# KiCad board SBC.kicad_pcb (continued)
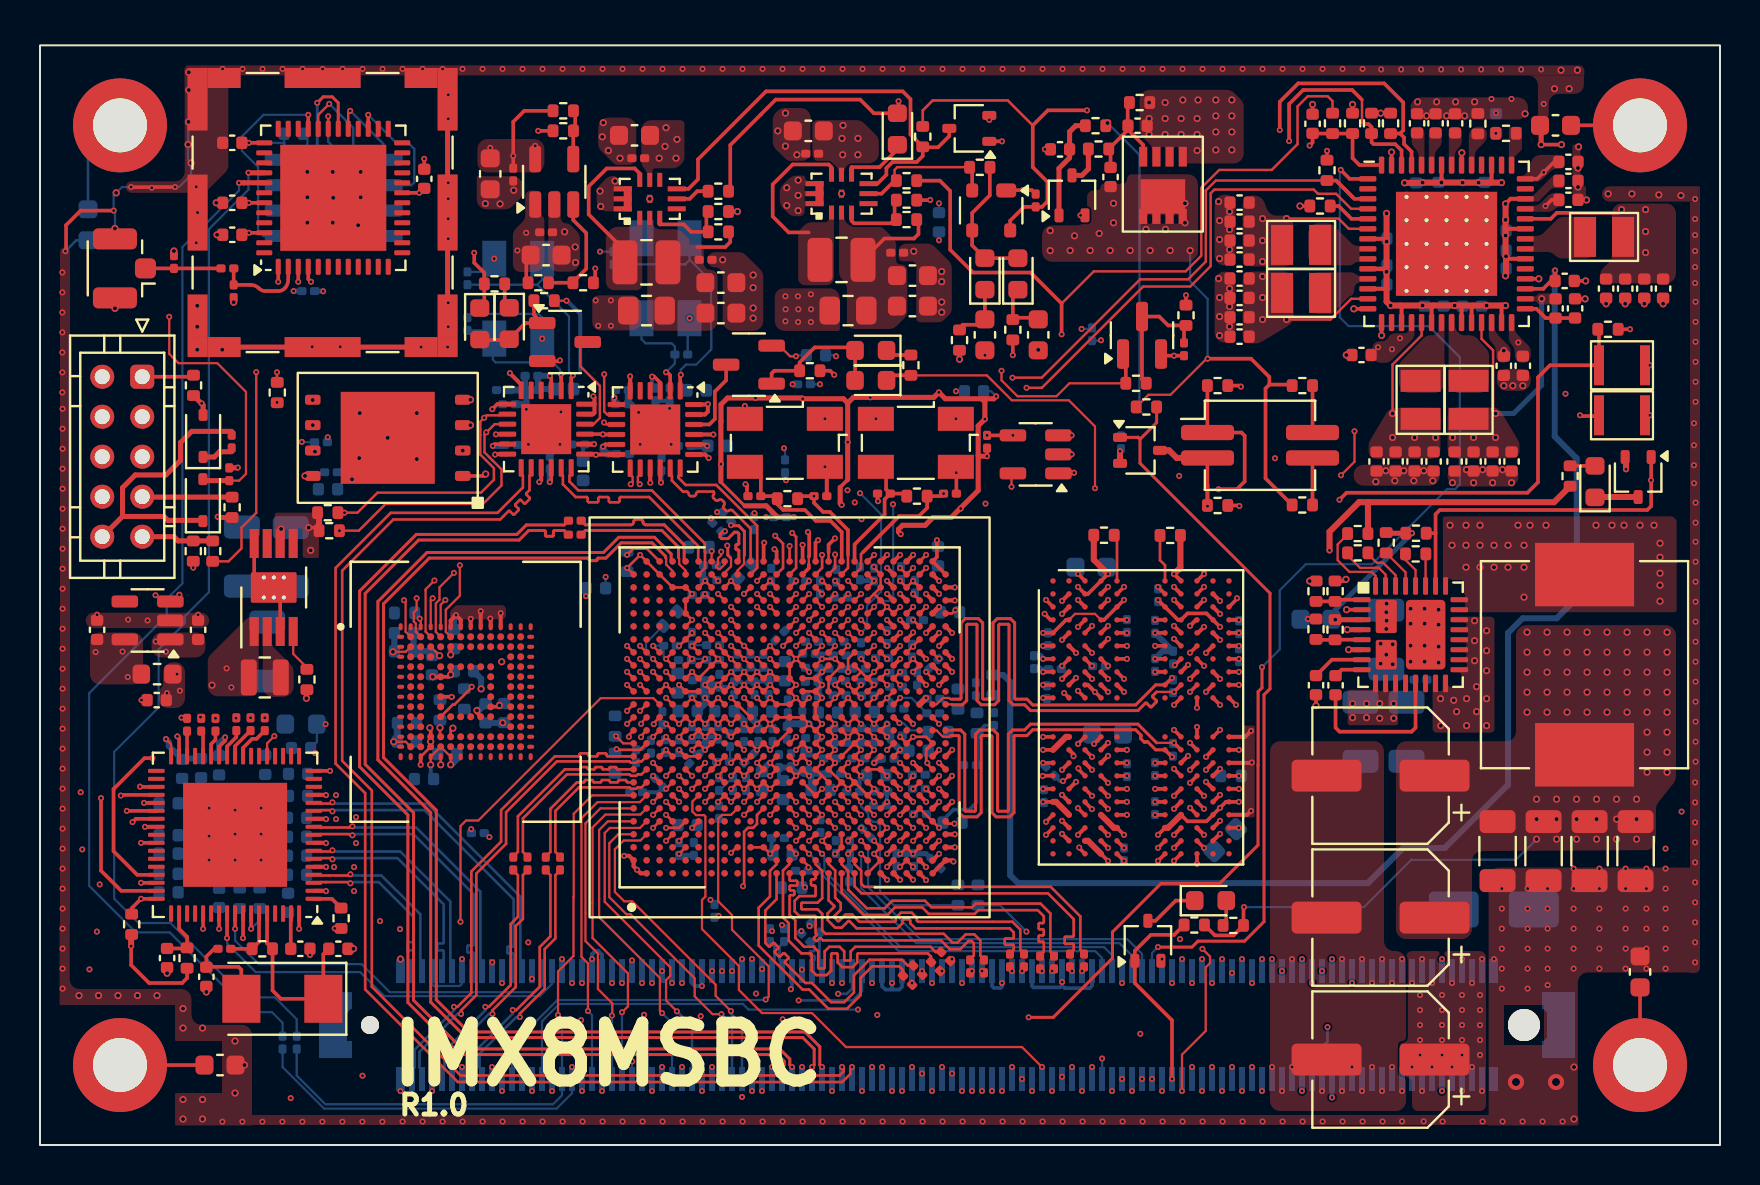
[diagram p0: board, top side]
## Routing (per net, layer and track width the routed paths; a pad name or vN(x,y) marks a point on that pad's centre or on a via; arc(x,y) is an arc through that point) (continued)
DRAM_CA3_B: length 21.6
  T w0.2: U12.R10 v1(57.5,18.76) ; v1(44.95,17.81) U9.AE7
  IN6 w0.13: v1(44.95,17.81) 46.08,17.81 48.69,15.2 arc(48.74,15.18) 48.76,15.14 48.76,14.99 arc(48.77,14.94) 48.82,14.92 49.01,14.92 arc(49.06,14.94) 49.07,14.99 49.07,15.14 arc(49.09,15.18) 49.14,15.2 49.33,15.2 arc(49.38,15.18) 49.4,15.14 49.4,14.79 arc(49.41,14.74) 49.46,14.72 49.65,14.72 arc(49.7,14.74) 49.71,14.79 49.71,15.14 arc(49.73,15.18) 49.78,15.2 49.97,15.2 arc(50.02,15.18) 50.04,15.14 50.04,14.79 arc(50.05,14.74) 50.1,14.72 50.29,14.72 arc(50.34,14.74) 50.35,14.79 50.35,15.14 arc(50.37,15.18) 50.42,15.2 50.61,15.2 arc(50.66,15.18) 50.68,15.14 50.68,14.79 arc(50.69,14.74) 50.74,14.72 50.93,14.72 arc(50.98,14.74) 50.99,14.79 50.99,15.14 arc(51.01,15.18) 51.06,15.2 52.21,15.2 52.25,15.24 52.25,15.48 52.28,15.52 52.6,15.52 52.64,15.48 52.64,14.87 52.67,14.83 52.99,14.83 53.03,14.87 53.03,15.16 53.06,15.2 54.39,15.2 54.51,15.32 54.67,15.32 54.92,15.57 55.43,15.57 55.73,15.87 56.22,15.87 56.38,16.03 56.38,17.71 56.47,17.8 57.02,17.8 57.14,17.92 57.14,18.2 57.5,18.56 v1(57.5,18.76)
DRAM_CA4_A: length 20.2
  T w0.2: v1(44.95,25.61) U9.AD19 ; v1(59,23.31) U12.H11
  IN6 w0.13: v1(44.95,25.61) 45.13,25.79 45.13,25.85 44.97,26.01 44.97,26.07 45.22,26.32 45.29,26.32 45.44,26.16 45.5,26.16 45.77,26.43 45.94,26.43 46.18,26.67 46.18,27.27 46.78,27.87 51.4,27.87 51.67,27.6 54.49,27.6 55.34,26.75 56.7,26.75 57.07,26.38 57.07,23.83 57.26,23.64 57.74,23.64 58.07,23.31 v1(59,23.31)
DRAM_CA4_B: length 20.3
  T w0.2: U12.R11 v1(58.3,18.76) ; U9.AE6 v1(45.6,17.16)
  IN6 w0.13: v1(45.6,17.16) 48.9,13.87 49.2,13.87 arc(49.25,13.85) 49.27,13.8 arc(49.29,13.74) 49.35,13.72 49.81,13.72 arc(49.86,13.74) 49.88,13.8 49.88,13.94 arc(49.9,14) 49.96,14.02 50.42,14.02 arc(50.47,14) 50.49,13.94 50.49,13.8 arc(50.51,13.74) 50.57,13.72 51.03,13.72 arc(51.08,13.74) 51.1,13.8 51.1,13.94 arc(51.12,14) 51.18,14.02 51.64,14.02 arc(51.69,14) 51.71,13.94 51.71,13.8 arc(51.73,13.74) 51.79,13.72 52.25,13.72 arc(52.3,13.74) 52.32,13.8 52.32,13.94 arc(52.34,14) 52.4,14.02 52.86,14.02 arc(52.91,14) 52.93,13.94 arc(52.95,13.89) 53.01,13.87 54.37,13.87 55.04,14.54 56.09,14.54 56.25,14.7 56.25,14.94 56.49,15.18 56.83,15.18 57.88,16.23 57.88,17.02 58,17.15 58.36,17.15 58.65,17.44 58.65,18.27 58.3,18.62 v1(58.3,18.76)
DRAM_CA5_A: length 20.5
  T w0.2: v1(44.95,24.96) U9.AE19 ; v1(58.3,22.66) U12.J11
  IN6 w0.13: v1(44.95,24.96) 45.29,25.3 45.79,25.3 46.91,26.42 49.78,26.42 50.02,26.18 51.35,26.18 51.49,26.32 53.57,26.32 53.94,25.95 54.53,25.95 55.4,25.08 55.4,24.1 55.51,23.99 55.92,23.99 56.28,23.63 56.28,23.12 56.41,22.99 56.89,22.99 57.06,22.82 57.06,21.66 57.46,21.26 58.19,21.26 58.3,21.37 58.3,22.01 58.34,22.04 58.55,22.04 58.58,22.08 58.58,22.34 58.55,22.37 58.34,22.37 58.3,22.41 v1(58.3,22.66)
DRAM_CA5_B: length 19.4
  T w0.2: v1(58.3,19.41) U12.P11 ; U9.AD6 v1(44.95,17.16)
  IN6 w0.13: v1(58.3,19.41) 58.17,19.54 57.96,19.54 57.82,19.4 57.82,17.86 57.11,17.15 57.11,16.41 56.33,15.63 56.33,15.46 56.05,15.18 55.57,15.18 55.29,14.9 54.79,14.9 54.42,14.53 53.27,14.53 53.19,14.45 48.89,14.45 45.83,17.51 45.1,17.51 44.95,17.36 v1(44.95,17.16)
DRAM_CKA_N: length 28.5
  T w0.11: v1(56.7,22.66) 55.83,22.66 ; U9.AE14 45.59,22.04 45.61,22.02
  T w0.15: 45.61,22.02 46.12,22.02 46.33,22.23 46.33,26 46.38,26.05 46.81,26.05 46.85,26 46.85,22.23 47.06,22.02 47.72,22.02 47.93,22.23 47.93,26 47.98,26.05 48.41,26.05 48.45,26 48.45,22.23 48.66,22.02 49.23,22.02 49.52,21.73 54.9,21.73 55.27,22.1 55.33,22.1 55.51,21.92 55.58,21.92 55.82,22.16 55.82,22.22 55.64,22.4 55.64,22.47 55.83,22.66
  T w0.18: v1(56.7,22.66) U12.J9
DRAM_CKA_P: length 28.3
  T w0.11: U9.AD14 44.83,22.04 45.15,22.36 45.46,22.36 45.52,22.3 45.61,22.3
  T w0.15: 45.61,22.3 46.01,22.3 46.05,22.34 46.05,26.12 46.26,26.33 46.92,26.33 47.13,26.12 47.13,22.34 47.18,22.3 47.61,22.3 47.65,22.34 47.65,26.12 47.86,26.33 48.52,26.33 48.73,26.12 48.73,22.34 48.78,22.3 49.35,22.3 49.64,22.01 54.78,22.01 55.79,23.01 U12.J8
  T w0.18: v1(56.6,23.36) U12.J8
DRAM_CKB_N: length 28.1
  T w0.11: v1(56.7,20.11) 55.83,20.11 ; 45.61,20.76 45.59,20.74 U9.AE12
  T w0.15: 55.83,20.11 54.9,21.05 49.52,21.05 49.23,20.76 48.63,20.76 48.42,20.55 48.42,16.74 48.37,16.69 47.92,16.69 47.88,16.74 47.88,20.55 47.67,20.76 46.99,20.76 46.78,20.55 46.78,16.74 46.73,16.69 46.28,16.69 46.24,16.74 46.24,20.55 46.03,20.76 45.61,20.76
  T w0.18: v1(56.7,20.11) U12.P9
DRAM_CKB_P: length 28.6
  T w0.11: U9.AD12 44.83,20.74 45.15,20.42 45.46,20.42 45.52,20.48 45.61,20.48
  T w0.15: 45.61,20.48 45.91,20.48 45.96,20.44 45.96,16.62 46.17,16.41 46.85,16.41 47.06,16.62 47.06,20.44 47.1,20.48 47.55,20.48 47.6,20.44 47.6,16.62 47.81,16.41 48.49,16.41 48.7,16.62 48.7,20.44 48.74,20.48 49.35,20.48 49.64,20.77 54.78,20.77 55.06,20.49 55.06,20.43 55.03,20.4 55.03,20.34 55.22,20.15 55.28,20.15 55.31,20.18 55.37,20.18 55.79,19.76 U12.P8
  T w0.18: v1(56.6,19.41) U12.P8
DRAM_CKE0_A: length 23.4
  T w0.2: v1(44.3,23.01) U9.AC16 ; U12.J4 v1(53.4,22.66)
  IN6 w0.13: v1(53.4,22.66) 53.73,22.66 54.09,22.3 55.58,22.3 55.66,22.22 55.66,21.81 55.56,21.71 53.21,21.71 53.17,21.75 53.17,22.25 53.13,22.28 52.88,22.28 52.84,22.25 52.84,21.75 52.8,21.71 52.55,21.71 52.51,21.75 52.51,22.4 52.47,22.43 52.22,22.43 52.18,22.4 52.18,21.75 52.14,21.71 51.89,21.71 51.85,21.75 51.85,22.3 51.81,22.33 51.56,22.33 51.52,22.3 51.52,21.75 51.48,21.71 51.23,21.71 51.19,21.75 51.19,22.2 51.15,22.23 50.9,22.23 50.86,22.2 50.86,21.75 50.82,21.71 50.57,21.71 50.53,21.75 50.53,21.95 50.49,21.98 50.24,21.98 50.2,21.95 50.2,21.75 50.16,21.71 49.91,21.71 49.87,21.75 49.87,22.15 49.83,22.18 49.58,22.18 49.54,22.15 49.54,21.75 49.5,21.71 45.44,21.71 45.4,21.75 45.4,22.17 45.36,22.2 45.1,22.2 45.06,22.17 45.06,21.75 45.02,21.71 44.48,21.71 43.98,22.21 43.98,22.72 44.27,23.01 v1(44.3,23.01)
DRAM_CKE0_B: length 22.3
  T w0.2: U9.AD10 v1(44.95,19.76) ; v1(53.4,20.11) U12.P4
  IN6 w0.13: v1(44.95,19.76) 44.95,19.54 45.08,19.41 45.82,19.41 45.92,19.51 45.92,19.9 45.73,20.09 45.73,20.33 45.87,20.47 46.98,20.47 47.02,20.43 47.02,19.82 47.05,19.79 47.33,19.79 47.37,19.82 47.37,20.43 47.41,20.47 47.68,20.47 47.72,20.43 47.72,19.82 47.76,19.79 48.03,19.79 48.07,19.82 48.07,20.43 48.1,20.47 48.38,20.47 48.42,20.43 48.42,19.82 48.46,19.79 48.73,19.79 48.77,19.82 48.77,20.43 48.8,20.47 49.08,20.47 49.12,20.43 49.12,19.82 49.16,19.79 49.43,19.79 49.47,19.82 49.47,20.43 49.51,20.47 49.74,20.47 49.84,20.37 49.84,20.25 50,20.09 50.36,20.09 50.47,20.2 50.47,20.39 50.58,20.5 55.54,20.5 55.68,20.36 55.68,20.2 55.56,20.08 54.16,20.08 53.88,19.8 53.16,19.8 53.07,19.89 53.07,20.05 53.13,20.11 v1(53.4,20.11)
DRAM_CKE1_A: length 21.8
  T w0.2: v1(45.6,23.66) U9.AE17 ; U12.J5 v1(54.2,22.66)
  IN6 w0.13: v1(45.6,23.66) 45.6,23.52 45.42,23.34 43.61,23.34 43.47,23.2 43.47,21.59 43.67,21.39 56.19,21.39 56.37,21.57 56.37,21.86 56.33,21.9 56.06,21.9 56.02,21.94 56.02,22.19 56.06,22.23 56.33,22.23 56.37,22.27 56.37,22.54 56.25,22.66 v1(54.2,22.66)
DRAM_CKE1_B: length 22.3
  T w0.2: U9.AE10 v1(45.6,19.76) ; U12.P5 v1(54.34,19.76)
  IN6 w0.13: v1(45.6,19.76) 45.47,19.76 45.11,20.12 45.11,20.35 45.54,20.78 55.63,20.78 55.98,20.43 56.11,20.43 56.3,20.62 56.39,20.62 56.58,20.43 56.85,20.43 57.04,20.24 57.04,19.91 56.95,19.82 56.95,19.6 57.04,19.51 57.04,18.49 56.68,18.13 56.5,18.13 56.37,18.26 56.37,19.2 56.28,19.28 56.28,19.7 56.19,19.79 56.05,19.79 56.01,19.75 56.01,19.68 55.97,19.65 55.78,19.65 55.74,19.68 55.74,19.75 55.7,19.79 55.51,19.79 55.47,19.75 55.47,19.48 55.43,19.45 55.24,19.45 55.2,19.48 55.2,19.75 55.16,19.79 54.97,19.79 54.93,19.75 54.93,19.28 54.89,19.25 54.7,19.25 54.66,19.28 54.66,19.75 54.62,19.79 54.37,19.79 v1(54.34,19.76)
DRAM_DM0: length 19.4
  T w0.2: v1(44.95,27.56) U9.AD23 ; U12.C3 v1(51.9,27.26)
  IN4 w0.13: v1(51.9,27.26) 51.61,27.26 51.34,27.53 50.81,27.53 50.7,27.42 50.7,27.22 50.42,26.94 50.16,26.94 49.82,26.6 49.82,25.52 49.66,25.36 49.28,25.36 49.24,25.39 49.24,26.34 49.2,26.37 48.89,26.37 48.85,26.34 48.85,25.39 48.81,25.36 48.5,25.36 48.46,25.39 48.46,26.34 48.42,26.38 48.11,26.38 48.07,26.34 48.07,25.39 48.03,25.36 47.72,25.36 47.68,25.39 47.68,26.34 47.64,26.37 47.33,26.37 47.29,26.34 47.29,25.39 47.25,25.36 46.83,25.36 46.81,25.38 46.81,27.15 46.05,27.91 46.05,28.02 45.87,28.2 45.76,28.2 45.43,28.53 44.69,28.53 44.53,28.37 44.53,27.99 v1(44.95,27.56)
DRAM_DM1: length 23.5
  T w0.2: v1(58.2,27.26) U12.C10 ; U9.AB20 v1(43,26.26)
  IN2 w0.13: v1(58.2,27.26) 58.2,27.34 58.09,27.45 57.81,27.45 57.73,27.37 57.73,27.11 58.56,26.28 58.56,25.79 58.36,25.59 57.39,25.59 57.1,25.88 57.1,26.15 56.9,26.35 56.56,26.35 56.15,25.94 55.45,25.94 arc(55.34,25.98) 55.3,26.09 arc(55.25,26.19) 55.15,26.23 55.12,26.23 arc(55.01,26.19) 54.97,26.09 arc(54.92,25.98) 54.82,25.94 54.22,25.94 53.91,25.63 52.21,25.63 52,25.42 51.74,25.42 51.53,25.63 50.72,25.63 50.37,25.28 49.79,25.28 49.74,25.32 49.74,25.54 49.7,25.58 49.36,25.58 49.31,25.54 49.31,25.32 49.27,25.28 48.93,25.28 48.88,25.32 48.88,25.54 48.84,25.58 48.5,25.58 48.45,25.54 48.45,25.32 48.41,25.28 48.07,25.28 48.02,25.32 48.02,25.54 47.98,25.58 47.64,25.58 47.59,25.54 47.59,25.32 47.55,25.28 47.21,25.28 47.16,25.32 47.16,25.54 47.12,25.58 46.78,25.58 46.73,25.54 46.73,25.32 46.69,25.28 46.35,25.28 46.3,25.32 46.3,25.44 46.26,25.48 45.92,25.48 45.87,25.44 45.87,25.32 45.83,25.28 44.75,25.28 44.63,25.4 44.63,25.8 44.48,25.95 43.32,25.95 v1(43,26.26)
DRAM_DM2: length 19.3
  T w0.2: v1(44.95,15.21) U9.AD3 ; U12.Y3 v1(51.9,15.51)
  IN4 w0.13: v1(44.95,15.21) 44.76,15.21 44.53,14.98 44.53,14.94 arc(44.51,14.89) 44.46,14.87 44.05,14.87 arc(44,14.85) 43.99,14.81 43.99,14.64 arc(44,14.59) 44.05,14.57 44.46,14.57 arc(44.51,14.55) 44.53,14.51 44.53,14.32 44.61,14.24 45.12,14.24 45.37,14.48 45.76,14.48 45.86,14.58 45.87,14.58 46.05,14.76 46.05,14.77 46.06,14.78 46.06,14.85 46.53,15.32 46.53,16.05 46.66,16.18 47.14,16.18 47.19,16.23 47.19,17.02 47.24,17.07 47.65,17.07 47.7,17.02 47.7,15.33 47.75,15.28 48.16,15.28 48.21,15.33 48.21,17.02 48.26,17.07 48.67,17.07 48.72,17.02 48.72,16.23 48.77,16.18 49.18,16.18 49.23,16.23 49.23,17.02 49.28,17.07 49.69,17.07 49.74,17.02 49.74,16.23 50.12,15.85 50.4,15.85 50.7,15.55 50.7,15.37 50.87,15.2 51.76,15.2 51.9,15.34 v1(51.9,15.51)
DRAM_DM3: length 23.3
  T w0.2: U9.AB6 v1(43,16.51) ; v1(58.2,15.51) U12.Y10
  IN2 w0.13: v1(43,16.51) 43.32,16.83 44.48,16.83 44.63,16.98 44.63,17.33 44.8,17.5 45.96,17.5 46.01,17.45 46.01,17.23 46.06,17.18 46.45,17.18 46.5,17.23 46.5,17.45 46.55,17.5 46.94,17.5 46.99,17.45 46.99,17.23 47.04,17.18 47.43,17.18 47.48,17.23 47.48,17.45 47.53,17.5 47.92,17.5 47.97,17.45 47.97,17.23 48.02,17.18 48.41,17.18 48.46,17.23 48.46,17.45 48.51,17.5 48.9,17.5 48.95,17.45 48.95,17.23 49,17.18 49.39,17.18 49.44,17.23 49.44,17.45 49.49,17.5 50.37,17.5 50.7,17.17 51.49,17.17 arc(51.61,17.21) 51.65,17.33 arc(51.7,17.44) 51.81,17.49 51.98,17.49 arc(52.1,17.44) 52.14,17.33 arc(52.19,17.21) 52.3,17.17 52.47,17.17 52.51,17.13 53.57,17.13 53.92,17.48 54.5,17.48 54.66,17.31 54.66,16.91 54.73,16.84 54.91,16.84 arc(55.03,16.79) 55.09,16.66 55.09,16.62 arc(55.14,16.49) 55.27,16.44 arc(55.39,16.49) 55.45,16.62 55.45,16.66 arc(55.5,16.79) 55.63,16.84 56.15,16.84 56.56,16.43 56.9,16.43 57.06,16.59 57.06,16.93 57.31,17.18 57.97,17.18 58,17.15 58.4,17.15 58.56,16.99 58.56,16.4 58.2,16.04 v1(58.2,15.51)
DRAM_DQ0: length 19.6
  T w0.2: U12.B2 v1(51.1,27.21) ; U9.AE23 v1(45.74,27.89)
  IN4 w0.13: v1(45.74,27.89) 45.74,27.76 46.44,27.06 46.44,23.83 46.62,23.65 46.84,23.65 46.88,23.69 46.88,24.8 46.92,24.84 47.25,24.84 47.29,24.8 47.29,23.69 47.33,23.65 47.66,23.65 47.7,23.69 47.7,24.8 47.74,24.84 48.07,24.84 48.11,24.8 48.11,23.69 48.15,23.65 48.48,23.65 48.52,23.69 48.52,24.8 48.56,24.84 48.89,24.84 48.93,24.8 48.93,23.69 48.97,23.65 49.35,23.65 49.56,23.86 49.56,24.82 50.04,25.29 50.32,25.29 50.47,25.44 50.47,25.59 50.74,25.87 50.74,26.75 51.1,27.1 v1(51.1,27.21)
DRAM_DQ1: length 18.4
  T w0.2: U12.E2 v1(51.1,25.26) ; v1(44.95,28.21) U9.AD24
  IN4 w0.13: v1(51.1,25.26) 51.22,25.14 51.22,24.44 51.37,24.29 51.66,24.29 52.12,23.83 52.12,23.21 51.96,23.05 51.26,23.05 51.17,22.96 50.61,22.96 50.33,22.67 49.95,22.67 49.39,22.12 49.15,22.12 49.11,22.15 49.11,22.35 49.07,22.39 48.87,22.39 48.83,22.35 48.83,22.15 48.79,22.12 45.61,22.12 45.27,22.46 45.27,23.91 45.19,23.99 44.72,23.99 44.62,24.09 44.62,25.08 44.84,25.3 45.18,25.3 45.27,25.39 45.27,27.9 v1(44.95,28.21)
DRAM_DQ2: length 21.1
  T w0.2: U9.AE22 v1(45.74,27.24) ; U12.C2 v1(51.1,26.56)
  IN4 w0.13: v1(45.74,27.24) 46.16,26.82 46.16,25.79 45.95,25.58 45.95,25.45 arc(45.89,25.3) 45.73,25.23 45.66,25.23 arc(45.5,25.17) 45.44,25.01 arc(45.5,24.86) 45.66,24.79 45.73,24.79 arc(45.89,24.73) 45.95,24.57 45.95,22.8 46.05,22.7 46.33,22.7 46.37,22.74 46.37,23.34 46.42,23.38 46.76,23.38 46.8,23.34 46.8,22.45 46.85,22.41 47.19,22.41 47.23,22.45 47.23,23.34 47.28,23.38 47.62,23.38 47.66,23.34 47.66,22.45 47.71,22.41 48.05,22.41 48.09,22.45 48.09,23.34 48.14,23.38 48.48,23.38 48.52,23.34 48.52,22.74 48.57,22.7 49.41,22.7 49.8,23.09 49.8,23.76 50.04,24 50.4,24 50.76,24.36 50.76,25.43 51.17,25.84 51.34,25.84 51.47,25.97 51.47,26.21 51.83,26.57 51.83,26.77 51.71,26.89 51.4,26.89 51.1,26.59 v1(51.1,26.56)
DRAM_DQ3: length 20.2
  T w0.2: v1(51.8,24.61) U12.F2 ; U9.AD22 v1(44.3,27.56)
  IN4 w0.13: v1(51.8,24.61) 52.13,24.94 52.88,24.94 53.74,24.08 53.74,22.51 53.05,21.83 45.43,21.83 44.62,22.64 44.62,23.18 44.47,23.33 44.15,23.33 43.97,23.51 43.97,27.23 v1(44.3,27.56)
DRAM_DQ4: length 18.4
  T w0.2: U9.AA24 v1(42.35,28.86) ; U12.F4 v1(53.4,25.31)
  IN4 w0.13: v1(42.35,28.86) 42.45,28.86 42.79,29.2 43.85,29.2 43.99,29.34 43.99,29.38 43.99,29.38 43.99,29.65 43.99,29.65 43.99,29.68 44.35,30.05 44.6,30.05 45.12,29.53 49.62,29.53 arc(49.72,29.49) 49.76,29.39 arc(49.8,29.29) 49.89,29.26 50.13,29.26 arc(50.23,29.29) 50.27,29.39 arc(50.31,29.49) 50.4,29.53 50.64,29.53 arc(50.74,29.49) 50.78,29.39 arc(50.82,29.29) 50.91,29.26 51.15,29.26 arc(51.25,29.29) 51.29,29.39 arc(51.33,29.49) 51.42,29.53 52.34,29.53 53.08,28.78 53.08,25.89 52.81,25.62 52.61,25.62 52.5,25.51 52.5,25.27 52.58,25.19 53.29,25.19 53.4,25.3 v1(53.4,25.31)
DRAM_DQ5: length 18.6
  T w0.2: U12.E4 v1(53.4,25.96) ; U9.Y25 v1(42.35,29.51)
  IN4 w0.13: v1(53.4,25.96) 54.52,27.09 54.52,29.97 53.49,31 43.91,31 42.43,29.51 v1(42.35,29.51)
DRAM_DQ6: length 19.7
  T w0.2: U9.AA25 v1(43,29.51) ; U12.C4 v1(53.4,27.26)
  IN4 w0.13: v1(43,29.51) 44.27,30.78 45.23,30.78 45.37,30.64 45.6,30.64 arc(45.69,30.6) 45.73,30.51 arc(45.77,30.42) 45.85,30.39 46.03,30.39 arc(46.12,30.42) 46.16,30.51 arc(46.2,30.6) 46.28,30.64 46.46,30.64 arc(46.55,30.6) 46.59,30.51 arc(46.63,30.42) 46.71,30.39 46.89,30.39 arc(46.98,30.42) 47.02,30.51 arc(47.06,30.6) 47.14,30.64 47.32,30.64 arc(47.41,30.6) 47.45,30.51 arc(47.49,30.42) 47.57,30.39 47.75,30.39 arc(47.84,30.42) 47.88,30.51 arc(47.92,30.6) 48,30.64 48.18,30.64 arc(48.27,30.6) 48.31,30.51 arc(48.35,30.42) 48.43,30.39 48.61,30.39 arc(48.7,30.42) 48.74,30.51 arc(48.78,30.6) 48.86,30.64 49.04,30.64 arc(49.13,30.6) 49.17,30.51 arc(49.21,30.42) 49.29,30.39 49.47,30.39 arc(49.56,30.42) 49.6,30.51 arc(49.64,30.6) 49.72,30.64 49.9,30.64 arc(49.99,30.6) 50.03,30.51 arc(50.07,30.42) 50.15,30.39 50.33,30.39 arc(50.42,30.42) 50.46,30.51 arc(50.5,30.6) 50.58,30.64 50.76,30.64 arc(50.85,30.6) 50.89,30.51 arc(50.93,30.42) 51.01,30.39 51.19,30.39 arc(51.28,30.42) 51.32,30.51 arc(51.36,30.6) 51.44,30.64 51.62,30.64 arc(51.71,30.6) 51.75,30.51 arc(51.79,30.42) 51.87,30.39 52.05,30.39 arc(52.14,30.42) 52.18,30.51 arc(52.22,30.6) 52.3,30.64 52.48,30.64 arc(52.57,30.6) 52.61,30.51 arc(52.65,30.42) 52.73,30.39 52.91,30.39 arc(53,30.42) 53.04,30.51 arc(53.08,30.6) 53.16,30.64 53.42,30.64 54.09,29.97 54.09,28.33 53.87,28.11 53.87,26.85 53.77,26.75 53.45,26.75 53.4,26.8 v1(53.4,27.26)
DRAM_DQ7: length 19.7
  T w0.2: U12.B4 v1(53.4,27.91) ; U9.AB25 v1(43.65,29.51)
  IN4 w0.13: v1(43.65,29.51) 43.65,29.73 44.48,30.56 44.97,30.56 45.15,30.38 45.15,30.15 45.25,30.05 45.25,29.86 45.29,29.83 45.54,29.83 45.58,29.86 45.58,30.05 45.62,30.09 45.87,30.09 45.91,30.05 45.91,29.86 45.95,29.83 46.2,29.83 46.24,29.86 46.24,30.05 46.28,30.09 46.53,30.09 46.57,30.05 46.57,29.86 46.61,29.83 46.86,29.83 46.9,29.86 46.9,30.05 46.94,30.09 47.19,30.09 47.23,30.05 47.23,29.86 47.27,29.83 47.52,29.83 47.56,29.86 47.56,30.05 47.6,30.09 47.85,30.09 47.89,30.05 47.89,29.86 47.93,29.83 48.18,29.83 48.22,29.86 48.22,30.05 48.26,30.09 48.51,30.09 48.55,30.05 48.55,29.86 48.59,29.83 48.84,29.83 48.88,29.86 48.88,30.05 48.92,30.09 49.17,30.09 49.21,30.05 49.21,29.86 49.25,29.83 49.5,29.83 49.54,29.86 49.54,30.05 49.58,30.09 49.83,30.09 49.87,30.05 49.87,29.86 49.91,29.83 50.16,29.83 50.2,29.86 50.2,30.05 50.24,30.09 50.49,30.09 50.53,30.05 50.53,29.86 50.57,29.83 50.82,29.83 50.86,29.86 50.86,30.05 50.9,30.09 51.15,30.09 51.19,30.05 51.19,29.86 51.23,29.83 51.48,29.83 51.52,29.86 51.52,30.05 51.56,30.09 51.81,30.09 51.85,30.05 51.85,29.86 51.89,29.83 52.14,29.83 52.18,29.86 52.18,30.05 52.22,30.09 52.47,30.09 52.51,30.05 52.51,29.86 52.55,29.83 52.8,29.83 52.84,29.86 52.84,30.05 52.88,30.09 53.28,30.09 53.71,29.66 53.71,29.45 arc(53.66,29.32) 53.53,29.27 53.44,29.27 arc(53.32,29.22) 53.26,29.09 arc(53.32,28.96) 53.44,28.91 53.53,28.91 arc(53.66,28.86) 53.71,28.73 53.71,28.36 53.4,28.05 v1(53.4,27.91)
DRAM_DQ8: length 23.4
  T w0.2: U9.AB22 v1(43,27.56) ; U12.C9 v1(56.7,27.26)
  IN2 w0.13: v1(43,27.56) 43.14,27.56 43.47,27.89 45.09,27.89 45.39,28.19 45.39,28.7 46.58,29.89 46.91,29.89 46.97,29.83 46.97,29.61 47.03,29.55 47.51,29.55 47.57,29.61 47.57,29.83 47.63,29.89 48.11,29.89 48.17,29.83 48.17,29.61 48.23,29.55 48.71,29.55 48.77,29.61 48.77,29.83 48.83,29.89 49.31,29.89 49.37,29.83 49.37,29.61 49.43,29.55 49.91,29.55 49.97,29.61 49.97,29.83 50.03,29.89 50.51,29.89 50.57,29.83 50.57,29.61 50.63,29.55 51.11,29.55 51.17,29.61 51.17,29.83 51.23,29.89 51.71,29.89 51.77,29.83 51.77,29.61 51.83,29.55 52.31,29.55 52.37,29.61 52.37,29.83 52.43,29.89 52.91,29.89 52.97,29.83 52.97,29.61 53.03,29.55 53.51,29.55 53.57,29.61 53.57,29.83 53.63,29.89 54.11,29.89 54.17,29.83 54.17,29.61 54.23,29.55 54.71,29.55 54.77,29.61 54.77,29.83 54.83,29.89 55.31,29.89 55.37,29.83 55.37,29.61 55.43,29.55 55.91,29.55 55.97,29.61 55.97,29.83 56.03,29.89 56.72,29.89 57.36,29.25 57.36,27.92 v1(56.7,27.26)
DRAM_DQ9: length 23
  T w0.2: U12.C11 v1(59,26.56) ; U9.AA22 v1(42.35,27.56)
  IN2 w0.13: v1(59,26.56) 58.6,26.96 58.6,28.87 58.56,28.91 58.08,28.91 58.04,28.95 58.04,29.27 58.08,29.31 58.56,29.31 58.6,29.35 58.6,29.57 57.77,30.4 46.32,30.4 44.46,28.54 43.53,28.54 43.33,28.34 43.33,28.09 43.12,27.88 42.77,27.88 42.45,27.56 v1(42.35,27.56)
DRAM_DQ10: length 22
  T w0.2: U9.AA23 v1(42.35,28.21) ; v1(59,27.21) U12.B11
  IN2 w0.13: v1(42.35,28.21) 42.55,28.21 42.87,28.53 43.15,28.53 43.32,28.7 43.32,29.02 43.48,29.18 44.42,29.18 46,30.77 58.28,30.77 58.99,30.06 58.99,27.22 v1(59,27.21)
DRAM_DQ11: length 23.5
  T w0.2: U9.AA20 v1(42.35,26.26) ; U12.B9 v1(56.7,27.91)
  IN2 w0.13: v1(42.35,26.26) 42.54,26.26 42.85,26.58 43.14,26.58 43.32,26.76 43.32,27.08 43.49,27.25 45.18,27.25 45.49,27.56 46.01,27.56 46.21,27.76 46.21,28.71 46.43,28.93 46.69,28.93 46.75,28.87 46.75,28.42 46.81,28.36 47.29,28.36 47.35,28.42 47.35,28.87 47.41,28.93 47.89,28.93 47.95,28.87 47.95,28.42 48.01,28.36 48.49,28.36 48.55,28.42 48.55,28.87 48.61,28.93 49.09,28.93 49.15,28.87 49.15,28.42 49.21,28.36 49.69,28.36 49.75,28.42 49.75,28.87 49.81,28.93 50.29,28.93 50.35,28.87 50.35,28.42 50.41,28.36 50.89,28.36 50.95,28.42 50.95,28.87 51.01,28.93 52.14,28.93 52.2,28.87 52.2,28.42 52.26,28.36 52.74,28.36 52.8,28.42 52.8,28.87 52.86,28.93 53.99,28.93 54.05,28.87 54.05,28.42 54.11,28.36 54.59,28.36 54.65,28.42 54.65,28.87 54.71,28.93 55.68,28.93 v1(56.7,27.91)
DRAM_DQ12: length 23.3
  T w0.2: U12.F11 v1(58.3,24.61) ; U9.AA18 v1(43,24.96)
  IN2 w0.13: v1(43,24.96) 43.2,24.96 43.32,24.84 43.32,24.2 43.53,23.99 43.79,23.99 43.98,23.8 43.98,23.52 44.16,23.34 45.13,23.34 45.45,23.02 45.8,23.02 45.84,22.97 45.84,22.6 45.89,22.56 46.26,22.56 46.3,22.6 46.3,22.97 46.35,23.02 46.72,23.02 46.76,22.97 46.76,22.6 46.81,22.56 47.18,22.56 47.22,22.6 47.22,22.97 47.27,23.02 47.64,23.02 47.68,22.97 47.68,22.6 47.73,22.56 48.1,22.56 48.14,22.6 48.14,22.97 48.19,23.02 49.53,23.02 49.85,23.34 50.44,23.34 50.76,23.66 51.23,23.66 51.24,23.67 51.52,23.67 51.56,23.72 51.56,23.9 51.61,23.95 51.98,23.95 52.02,23.9 52.02,23.72 52.07,23.67 52.46,23.67 52.51,23.62 54.54,23.62 54.58,23.58 54.58,23.04 54.62,23 54.94,23 54.98,23.04 54.98,23.58 55.02,23.62 55.37,23.62 55.63,23.36 56.02,23.36 56.35,23.69 56.87,23.69 56.91,23.65 56.91,23.44 56.94,23.4 57.12,23.4 57.16,23.44 57.16,23.65 57.19,23.69 57.63,23.69 57.89,23.95 57.89,24.09 58.07,24.27 58.21,24.27 58.3,24.36 v1(58.3,24.61)
DRAM_DQ13: length 23.3
  T w0.18: U9.AB19 43.65,25.61 v1(43.65,25.64) ; U12.F9 v1(56.7,25.31)
  IN2 w0.13: v1(43.65,25.64) 43.84,25.64 44.17,25.3 44.25,25.3 44.64,24.91 44.64,24.83 44.83,24.65 45.17,24.65 45.41,24.89 45.54,24.89 45.58,24.85 45.58,24.73 45.62,24.69 45.89,24.69 45.93,24.73 45.93,24.85 45.97,24.89 46.24,24.89 46.28,24.85 46.28,24.28 46.32,24.24 46.59,24.24 46.63,24.28 46.63,24.85 46.67,24.89 46.94,24.89 46.98,24.85 46.98,24.28 47.02,24.24 47.29,24.24 47.33,24.28 47.33,24.85 47.37,24.89 47.64,24.89 47.68,24.85 47.68,24.28 47.72,24.24 47.99,24.24 48.03,24.28 48.03,24.85 48.07,24.89 48.34,24.89 48.38,24.85 48.38,24.28 48.42,24.24 48.69,24.24 48.73,24.28 48.73,24.85 48.77,24.89 49.04,24.89 49.08,24.85 49.08,24.28 49.12,24.24 49.39,24.24 49.43,24.28 49.43,24.85 49.47,24.89 49.78,24.89 50.03,24.64 50.35,24.64 arc(50.48,24.69) 50.53,24.82 arc(50.58,24.95) 50.71,25 50.73,25 arc(50.86,24.95) 50.91,24.82 arc(50.96,24.69) 51.09,24.64 51.31,24.64 51.74,25.07 52.93,25.07 53.37,24.63 54.88,24.63 54.99,24.74 54.99,24.8 54.59,25.2 54.59,25.25 54.81,25.46 54.86,25.46 55.26,25.07 55.32,25.07 55.55,25.3 56.69,25.3 v1(56.7,25.31)
DRAM_DQ14: length 24.7
  T w0.2: v1(43,25.61) U9.AA19 ; U12.E9 v1(56.7,25.96)
  IN2 w0.13: v1(43,25.61) 43.35,25.27 43.78,25.27 43.99,25.06 43.99,24.18 44.19,23.98 45.71,23.98 45.72,23.97 45.73,23.97 45.86,23.84 46.25,23.84 46.29,23.8 46.29,23.49 46.33,23.46 46.59,23.46 46.63,23.49 46.63,23.8 46.67,23.84 46.93,23.84 46.97,23.8 46.97,23.49 47.01,23.46 47.27,23.46 47.31,23.49 47.31,23.8 47.35,23.84 47.61,23.84 47.65,23.8 47.65,23.49 47.69,23.46 47.95,23.46 47.99,23.49 47.99,23.8 48.03,23.84 48.29,23.84 48.33,23.8 48.33,23.49 48.37,23.46 48.63,23.46 48.67,23.49 48.67,23.8 48.71,23.84 48.97,23.84 49.01,23.8 49.01,23.49 49.05,23.46 49.31,23.46 49.35,23.49 49.35,23.8 49.39,23.84 49.8,23.84 49.94,23.98 50.35,23.98 50.67,24.3 53.59,24.3 53.91,23.98 54.78,23.98 arc(54.91,24.04) 54.97,24.17 arc(55.03,24.3) 55.16,24.36 55.19,24.36 arc(55.32,24.3) 55.38,24.17 arc(55.44,24.04) 55.57,23.98 56.13,23.98 56.47,24.32 56.63,24.32 56.66,24.36 56.66,24.79 56.7,24.83 56.97,24.83 57,24.79 57,24.36 57.04,24.32 57.63,24.32 57.99,24.68 57.99,25.18 57.87,25.3 57.33,25.3 56.7,25.93 v1(56.7,25.96)
DRAM_DQ15: length 23.9
  T w0.2: U9.AA17 v1(43,24.31) ; U12.E11 v1(59,25.26)
  IN2 w0.13: v1(59,25.26) 59,23.93 58.08,23.01 57.41,23.01 57.02,22.61 57.02,22.53 56.83,22.35 56.6,22.35 56.31,22.06 55.89,22.06 arc(55.75,22.12) 55.69,22.26 arc(55.63,22.39) 55.5,22.45 55.29,22.45 arc(55.15,22.39) 55.09,22.26 55.09,21.86 arc(55.03,21.72) 54.89,21.66 54.69,21.66 arc(54.55,21.72) 54.49,21.86 54.49,22.21 arc(54.45,22.31) 54.34,22.35 54.04,22.35 arc(53.93,22.31) 53.89,22.21 53.89,21.86 arc(53.83,21.72) 53.69,21.66 53.49,21.66 arc(53.35,21.72) 53.29,21.86 53.29,22.21 arc(53.25,22.31) 53.14,22.35 52.84,22.35 arc(52.73,22.31) 52.69,22.21 52.69,21.86 arc(52.63,21.72) 52.49,21.66 52.29,21.66 arc(52.15,21.72) 52.09,21.86 arc(52.03,22) 51.89,22.06 44.11,22.06 43.32,22.85 43.32,23.82 43,24.14 v1(43,24.31)
DRAM_DQ16: length 20.4
  T w0.2: v1(45.74,14.89) U9.AE3 ; U12.AA2 v1(51.1,15.56)
  IN4 w0.13: v1(45.74,14.89) 46.28,15.43 46.28,17.42 46.34,17.48 46.63,17.48 46.67,17.52 46.67,18.52 46.71,18.56 46.98,18.56 47.02,18.52 47.02,17.52 47.06,17.48 47.33,17.48 47.37,17.52 47.37,18.52 47.41,18.56 47.68,18.56 47.72,18.52 47.72,17.52 47.76,17.48 48.03,17.48 48.07,17.52 48.07,18.52 48.11,18.56 48.38,18.56 48.42,18.52 48.42,17.52 48.46,17.48 48.73,17.48 48.77,17.52 48.77,18.52 48.81,18.56 49.08,18.56 49.12,18.52 49.12,17.52 49.16,17.48 49.43,17.48 49.47,17.52 49.47,18.52 49.51,18.56 49.78,18.56 49.82,18.52 49.82,17.52 49.86,17.48 50.39,17.48 50.52,17.35 50.52,16.87 50.74,16.65 50.74,15.99 51.1,15.63 v1(51.1,15.56)
